# Altium PCB MB1801.PcbDoc (part 2 of 4) (continued)
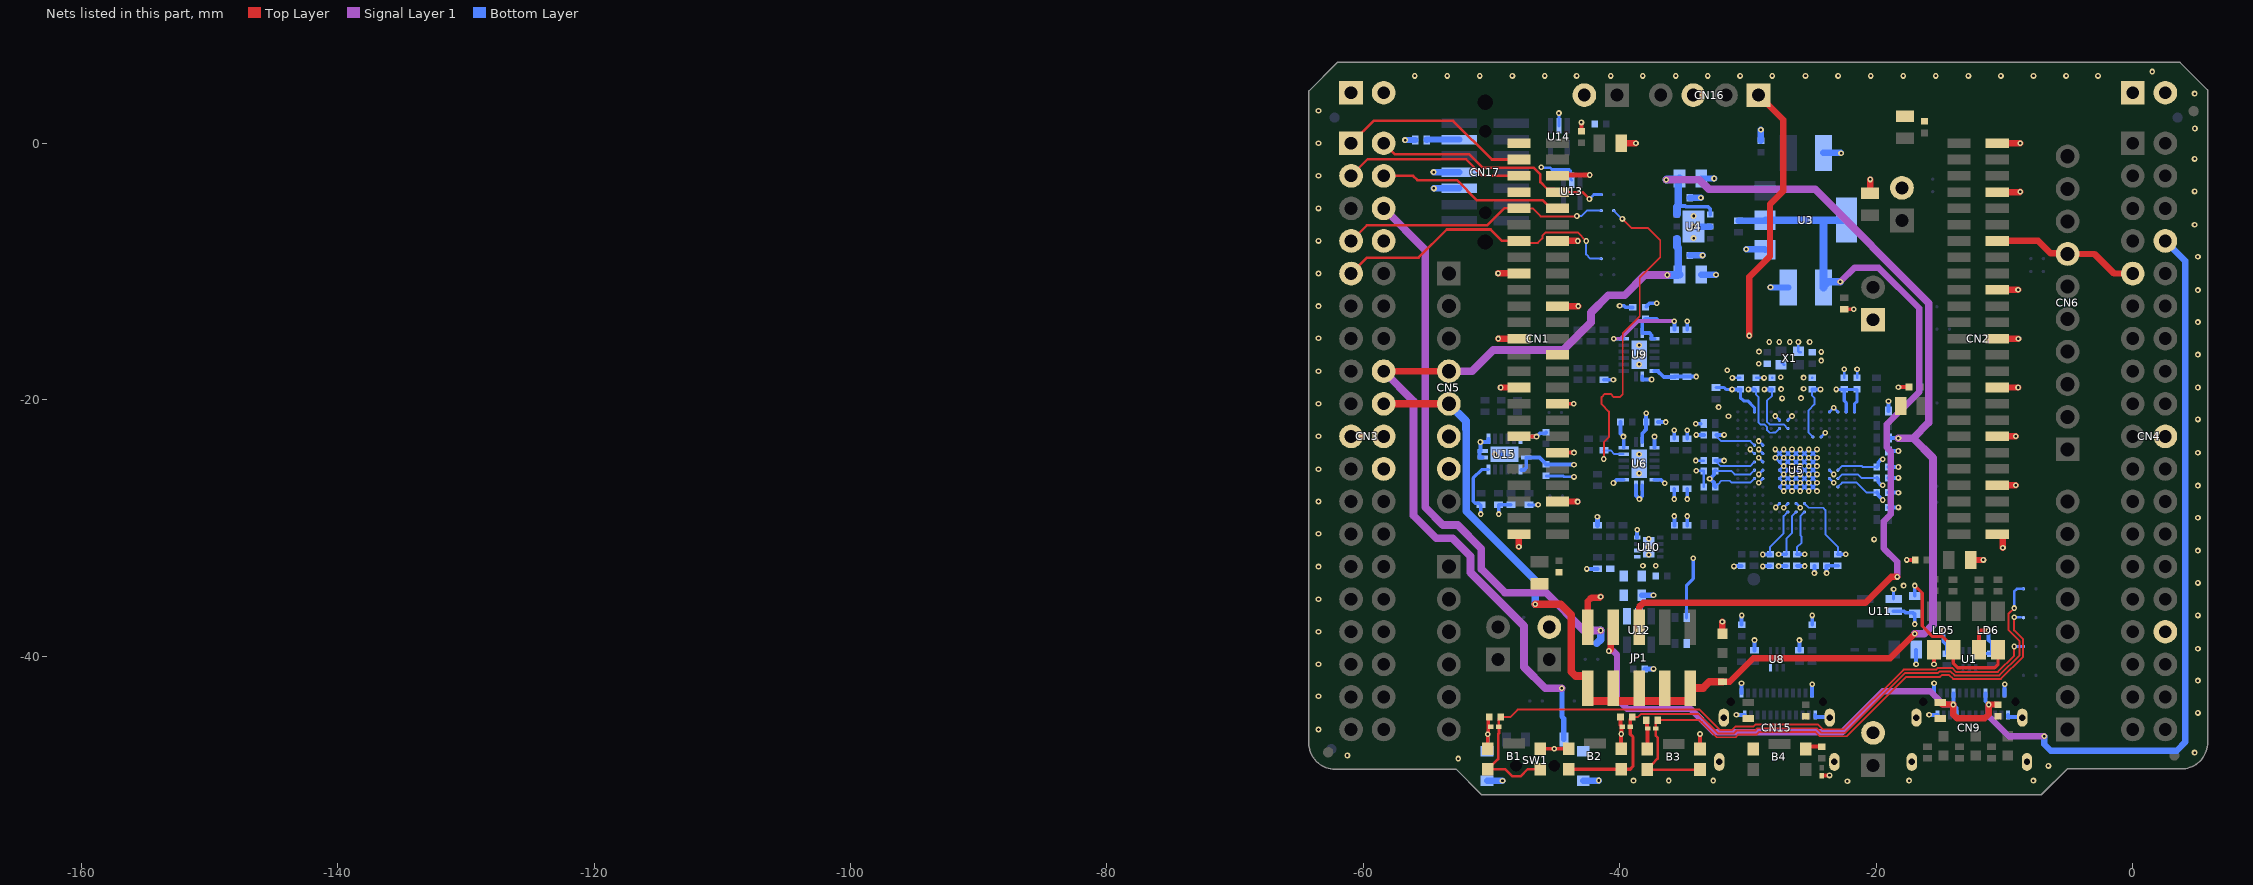
[diagram p4: the nets of this part, all layers, seen from the top]
## Part data (continued)
U6 U9 U15: library part MCD-01945, "4-bit dual supply translating transceiver with configurable voltage translation; 3-state", Alternate_Manufacturer=N/A, Manufacturer=NEXPERIA, Manufacturer_Part_Number=74AVC4TD245BQ,115, Package=DHVQFN16, ComponentLink1URL="http://tunmcdsvn.tun.st.com/Component_Datasheet_Library/Trunk/IC/NEXPERIA_dual supply transceiver_74AVC4TD245", Internal_Part_Number=MCD-01945, Order_Code_Digikey=1727-6899-1-ND, Order_Code_Farnell=N/A, Order_Code_RS=N/A, Part_Preference=Recommended, Part_Type=IC, Status=Released
U7: library part MCD-01207, "High power Transient voltage suppressor:25V/35A EOS and ESD transients protection.", Manufacturer=STMICROELECTRONICS, Manufacturer_Part_Number=ESDA25P35-1U1M, Package=QFN1610, BMS_Part_Number=9179045, ComponentLink1Description=Datasheet, ComponentLink1URL=http://tunmcdsvn.tun.st.com/Component_Datasheet_Library/Trunk/Diodes/STM_ESD_ESDA25P35-1U1M, ECCN_EU=NEC, ECCN_US=EAR99, Internal_Part_Number=MCD-01207, Part_Type=Diode, Provided_By="SUBCO with ST control", Status=Checked
U10: library part MCD-02532, "IC, 2V7 to 18V, 4A, 34mR, eFuse with fast overvoltage protection", Manufacturer="TEXAS INSTRUMENTS", Package=WSON-8, Component_Country_Of_Origin=Thailand, ComponentLink1URL=http://tunmcdsvn.tun.st.com/Component_Documentation_Library/Trunk/IC/TEXAS_INSTRUMENTS_TPS259535DSG, ID=4638, Internal_Part_Number=MCD-02532, Manufacturer_Part_Number=TPS259535DSG, Order_Code_Digikey=N/A, Order_Code_Farnell=N/A, Order_Code_RS=N/A, Part_Preference=Recommended, Part_Type=IC, ShowFields=YES, Status=Checked
U11: library part MCD-02514, "LDO, 3.3V, 300mA, High input voltage: 2.5V to 28V, SOT23-5L", Alternate_Manufacturer=N/A, Manufacturer=STMICROELECTRONICS, Package=SOT23-5L, Alternate_Manufacturer_Part_Number=N/A, BMS_Part_Number=N/A, ComponentLink1URL=http://tunmcdsvn.tun.st.com/Component_Documentation_Library/Trunk/IC/STMICROELECTRONICS_ST730M33R, Internal_Part_Number=MCD-02514, Manufacturer_Part_Number=ST730M33R, Order_Code_Digikey=N/A, Order_Code_Farnell=N/A, Order_Code_RS=N/A, Part_Preference=Recommended, Part_Type=IC, Status=New
U12: library part MCD-00159, "500mA, Enhanced single channel power switches with active high enable pin", Manufacturer=STMICROELECTRONICS, Manufacturer_HQ_COO=EU, BMS_Part_Number=9159009, Component_Country_Of_Origin=Malaysia, ComponentLink1URL=http://tunmcdsvn.tun.st.com/Component_Datasheet_Library/Trunk/IC/STM_PWR-Switch_STMPS2151STR, ID=2708, Internal_Part_Number=MCD-00159, Manufacturer_Part_Number=STMPS2151STR, Part_Preference=Recommended, Part_Type=IC, ShowFields=YES, Status=Released
U13 U14: library part MCD-00136, "Dual Transil array for ESD protection", Manufacturer=STMICROELECTRONICS, Manufacturer_HQ_COO=EU, BMS_Part_Number=9151112, Component_Country_Of_Origin=China, ComponentLink1URL=http://tunmcdsvn.tun.st.com/Component_Datasheet_Library/Trunk/Diodes/STM_ESD_ESDALC6V1W5, Internal_Part_Number=MCD-00136, Manufacturer_Part_Number=ESDALC6V1W5, Part_Preference=Recommended, Part_Type=Diode, Status=Released
U16 U17 U18 U19: library part MCD-00170, "ESD protection 6V1", Manufacturer=STMICROELECTRONICS, Manufacturer_HQ_COO=EU, Manufacturer_Part_Number=ESDALC6V1-1U2, BMS_Part_Number=9151132, Component_Country_Of_Origin=China, ComponentLink1URL=http://tunmcdsvn.tun.st.com/Component_Documentation_Library/Trunk/Diode/STMICROELECTRONICS_ESDALC6V1-1U2, ID=2696, Internal_Part_Number=MCD-00170, Order_Code_Digikey=N/A, Order_Code_Farnell=N/A, Order_Code_RS=N/A, Part_Preference=Recommended, Part_Type=Diode, ShowFields=YES, Status=Released
X1: library part MCD-01036, "Crystal, 24MHz, 6pF, +/-20ppm, 80R, 2x1.6mm", Manufacturer=NDK, Manufacturer_Part_Number=NX2016SA-24MHZ-EXS00A-CS10820, Package=2x1.6mm, BMS_Part_Number=9157045, Component_Country_Of_Origin=Unknown, ComponentLink1URL=http://tunmcdsvn.tun.st.com/Component_Documentation_Library/Trunk/Crytal_Oscillator/NDK_NX2016SA_Series, Internal_Part_Number=MCD-01036, Order_Code_Digikey=644-1365, Order_Code_Farnell=N/A, Order_Code_RS=N/A, Part_Preference=Recommended, Part_Type=Crystal_Osc, Status=Released

## Via types
v1: diameter 0.45, hole 0.2, Top Layer to Bottom Layer, tented both sides, 473 vias

## Nets (pads, with @x,y where several pads share a name; then routed paths per layer and width w, separated by ;. In a path a pad name is that pad's centre, name@x,y a point inside that pad or via, vN(x,y) a via of type N, cw(c..) or ccw(c..) an arc to the next point about the centre after c; other vN are vias at no path point)
3V3: C21.2 C22.2 CN3.16 CN5.4 SB19.2 SW1.1 U4.4 | length 65.4
  Top Layer w0.5: CN3.16@-58.42,-17.78 CN5.4@-53.34,-17.78
  Signal Layer 1 w0.6: CN3.16@-58.42,-17.78 -56.1,-20.1 -56.1,-29.025 -54.325,-30.8 -53.05,-30.8 -51.65,-32.2 -51.65,-33.475 -47.475,-37.65 -47.475,-40.85 -45.825,-42.5 v1(-44.525,-42.5) ; CN5.4@-53.34,-17.78 -51.53,-17.78 -49.875,-16.125 -44.4,-16.125 -42.25,-13.975 -42.25,-13.2 -40.9,-11.85 -39.625,-11.85 -38.05,-10.275 v1(-36.3,-10.275)
  Bottom Layer w0.4: v1(-44.525,-42.5) SB19.2@-44.525,-43.5 -44.525,-44.7 -44.375,-44.85 -44.375,-46.483 SW1.1@-44.35,-46.509
  Bottom Layer w0.6: v1(-36.3,-10.275) -35.5,-10.275 -35.475,-10.25 C21.2@-35.35,-10.25 ; U4.4@-35.55,-7.45 -35.55,-8.075 -35.45,-8.175 C22.2@-35.45,-8.75 C21.2@-35.45,-10.15
3V3_STLK: C24.2 C30.2 C37.1 C38.1 C39.1 C40.1 C41.1 C42.1 C43.1 C44.1 C45.1 C46.1 C47.1 C48.1 C49.1 C50.1 C51.1 C52.1 C53.1 C55.2 C60.2 CN16.1 JP4.1 LD5.4 LD6.4 R2.1 R15.2 R16.2 R17.2 R24.1 R25.2 R26.2 R27.2 R39.2 R52.1 R61.2 R62.2 R63.2 R64.2 U5.C1 U5.C5 U5.C6 U5.C7 U5.C8 U5.C9 U5.F3 U5.G3 U5.G13 U5.H13 U5.J12 U5.J13 U5.K4 U5.N8 U5.N9 U5.N10 U5.P1 U5.R1 U6.1 U6.2 U9.1 U9.2 U9.7 U9.15 U11.1 U15.1 U15.2 U15.7 | length 146.3
  Top Layer w0.254: v1(-17,-34.5) -16.425,-35.075 -16.425,-37.65 -15.6,-38.475 -14.825,-38.475 -14.423,-38.877 -14,-39.3 LD5.4@-14,-39.5 -14,-40.549 -13.651,-40.898 -10.773,-40.898 -10.5,-40.625 LD6.4@-10.5,-39.5
  Top Layer w0.5: v1(-29.9,-15) -29.9,-10.425 -28.288,-8.813 -28.288,-4.763 -27.25,-3.725 -27.25,1.825 CN16.1@-29.2,3.775
  Signal Layer 1 w0.3: v1(-40.475,-15.25) -39.95,-15.25 -38.575,-13.875 v1(-35.75,-13.875)
  Bottom Layer w0.15: C52.1@-32.55,-25.55 -31.325,-25.55 -31.05,-25.825 -29.825,-25.825 U5.C8@-29.5,-25.5 ; C51.1@-32.5,-24.825 -32.15,-25.175 -29.825,-25.175 U5.C7@-29.5,-24.85 ; C53.1@-32.45,-26.675 -32.37,-26.595 -32.345,-26.595 -32.075,-26.325 -31.425,-26.325 -31.325,-26.425 -31.28,-26.47 -30.73,-26.47 -30.725,-26.475 -29.825,-26.475 U5.C9@-29.5,-26.15 ; C50.1@-32.45,-22.875 -32.37,-22.955 -32.1,-23.225 -29.825,-23.225 U5.C5@-29.5,-23.55 ; v1(-29.825,-23.875) U5.C6@-29.5,-24.2 ; C48.1@-29.375,-19.2 -29.375,-19.6 -29.175,-19.8 -29.175,-21.8 -29.05,-21.925 -28.722,-21.925 -28.525,-22.122 -28.525,-22.375 -28.52,-22.38 -28.52,-22.383 -28.323,-22.58 -28.075,-22.58 ; C40.1@-28.275,-32.025 -28.275,-31.475 -27.225,-30.425 -27.225,-29.075 U5.G13@-26.9,-28.75 ; C47.1@-28.125,-19.2 -28.125,-19.675 -28.525,-20.075 -28.525,-21.4 -28.53,-21.405 -28.53,-21.723 -28.328,-21.925 -27.225,-21.925 U5.G3@-26.9,-22.25 ; -28.075,-22.575 -27.875,-22.575 U5.F3@-27.55,-22.25 ; C39.1@-27,-32.025 -27,-30.825 -26.58,-30.405 -26.58,-29.08 U5.H13@-26.25,-28.75 ; C37.1@-26.2,-32.025 -26.2,-31.525 -25.825,-31.15 -25.825,-30.675 -25.925,-30.575 -25.925,-29.075 U5.J13@-25.6,-28.75 ; U5.J12@-25.6,-28.1 -25.275,-28.425 -24.15,-28.425 -23.97,-28.605 -23.97,-30.505 -23,-31.475 C38.1@-23,-32 ; C46.1@-25,-19.2 -25,-19.675 -24.825,-19.85 -24.825,-20.372 -25.28,-20.827 -25.28,-22.57 U5.K4@-24.95,-22.9 ; U5.N10@-23,-26.8 -22.675,-26.475 -21.525,-26.475 -20.75,-27.25 C41.1@-20,-27.25 ; U5.N9@-23,-26.15 -22.67,-25.82 -21.625,-25.82 -21.615,-25.83 -21.445,-25.83 -21.325,-25.95 -21.175,-26.1 C42.1@-19.95,-26.1 ; U5.N8@-23,-25.5 -22.68,-25.18 -22.31,-25.18 -22.3,-25.17 -21.13,-25.17 -21.05,-25.25 C43.1@-19.95,-25.25
  Bottom Layer w0.254: v1(-50.85,-28.921) -50.85,-28.225 -51.003,-28.072 -51.276,-28.072 -51.427,-27.921 -51.427,-26.102 -50.775,-25.45 U15.7@-50.25,-25.45 ; v1(-49.45,-28.925) R63.2@-49.45,-28.2 ; R63.2@-49.4,-28.2 R62.2@-48.5,-28.2 ; R61.2@-47.1,-28.2 -47.096,-28.204 -46.379,-28.204 v1(-46.375,-28.2) ; v1(-35.75,-27.75) R17.2@-35.75,-26.95 ; R52.1@-34.8,-37 -34.8,-34.475 -34.275,-33.95 v1(-34.275,-32.375) ; v1(-34.75,-27.75) R16.2@-34.75,-26.95 ; R15.2@-34.75,-23.05 v1(-34.75,-22.375) ; R2.1@-32.5,-19.05 -31.875,-19.05 -31.725,-19.2 v1(-31.25,-19.2) ; C49.1@-30.6,-19.2 -30.6,-19.85 -30.35,-20.1 -30.025,-20.1 -29.5,-20.625 U5.C1@-29.5,-20.95 ; v1@-27.6,-32.05 C39.1@-27,-32.05 ; v1(-23.125,-19.2) C45.1@-22.5,-19.2 ; U5.P1@-22.35,-20.95 -22.35,-20.25 -22.5,-20.1 C45.1@-22.5,-19.2 ; U5.R1@-21.7,-20.95 -21.7,-20.325 -21.5,-20.125 C44.1@-21.5,-19.2 C45.1@-22.5,-19.2 ; U11.1@-18.65,-35.55 v1(-18.65,-34.775) ; C55.2@-17,-35.3 v1(-17,-34.5)
  Bottom Layer w0.3: U15.2@-47.675,-25.475 -47.476,-25.475 -47.3,-25.299 U15.1@-47.3,-24.5 -46.275,-24.5 C60.2@-45.88,-24.895 ; C60.2@-45.75,-25.05 -43.6,-25.05 v1(-43.575,-25.075) ; v1(-40.475,-15.25) U9.15@-39.7,-15.25 ; U6.1@-38.25,-23.3 -38.25,-22.625 -37.95,-22.325 C24.2@-37.95,-21.75 v1(-37.95,-21.05) ; U6.2@-37.3,-23.75 v1(-37.3,-22.875) ; U9.7@-37.3,-17.75 -37.05,-17.75 -36.575,-18.225 R27.2@-35.7,-18.225 ; U9.2@-37.3,-15.25 -37.524,-15.25 -37.524,-14.976 -37.7,-14.8 U9.1@-38.25,-14.8 -38.25,-13.95 -38.13,-13.83 -38.13,-13.805 -38.025,-13.7 -37.125,-13.7 -36.95,-13.875 v1(-35.75,-13.875) R24.1@-35.75,-14.55 ; R27.2@-35.75,-18.2 v1@-34.063,-18.2 ; R25.2@-34.75,-14.55 v1(-34.75,-13.875) ; v1(-34.075,-21.875) R39.2@-33.7,-21.875 ; v1(-33,-26.175) v1@-32.975,-26.175 ; C53.1@-32.55,-26.8 -32.655,-26.695 -32.655,-26.47 -32.88,-26.245 -32.889,-26.245 -32.959,-26.175 v1@-32.975,-26.175 ; C52.1@-32.55,-25.5 -32.655,-25.605 -32.655,-25.855 v1@-32.975,-26.175 ; C51.1@-32.55,-24.75 v1(-31.875,-24.75) ; C50.1@-32.45,-22.75 v1(-31.875,-22.75) ; v1(-31.25,-19.2) C49.1@-30.6,-19.2 ; v1(-29.975,-19.2) C48.1@-29.5,-19.2 ; v1(-28.85,-32.075) -28.838,-32.063 -28.263,-32.063 C40.1@-28.25,-32.05 ; v1(-28.725,-19.2) C47.1@-28.125,-19.2 ; C37.1@-26.2,-32.05 v1(-25.575,-32.05) ; C46.1@-25,-19.2 v1(-24.35,-19.2) ; C38.1@-23,-32.05 v1(-22.375,-32.05) ; C41.1@-19.95,-27.25 -19.845,-27.355 -19.845,-27.48 v1(-19.5,-27.825) ; C42.1@-19.95,-26.1 -19.845,-26.205 -19.845,-26.424 -19.623,-26.646 -19.529,-26.646 v1(-19.5,-26.675) ; C43.1@-19.95,-25.25 -19.845,-25.145 -19.845,-24.901 -19.623,-24.679 -19.529,-24.679 v1(-19.5,-24.65)
  other v1: -17.875,-34.5 -27.625,-32.05 -34.05,-18.2
5V: C19.2 C20.2 CN3.18 CN5.5 JP1.1 JP1.3 JP1.5 JP1.7 JP1.9 R13.2 R36.2 U4.1 U4.6 | length 127.2
  Top Layer w0.5: R13.2@-32,-42 -31.995,-41.995 -31.42,-41.995 -29.6,-40.175 -18.925,-40.175 v1(-17,-38.25)
  Top Layer w0.6: CN3.18@-58.42,-20.32 CN5.5@-53.34,-20.32 ; v1(-46.6,-35.95) -44.625,-35.95 -43.8,-36.775 -43.8,-41.204 -43.449,-41.556 -42.645,-41.556 -42.5,-41.701 -42.5,-43.361 -42.355,-43.506 -40.5,-43.506 -38.645,-43.506 JP1.5@-38.5,-43.361 ; JP1.1@-42.5,-43.301 JP1.1@-42.5,-42.5 ; JP1.3@-40.5,-43.43 JP1.3@-40.5,-42.5 ; JP1.5@-38.5,-43.301 JP1.5@-38.5,-43.361 ; JP1.5@-38.5,-43.106 JP1.5@-38.5,-42.5 ; JP1.7@-36.5,-42.5 JP1.7@-36.5,-43.361 ; R13.2@-32,-42 -33.025,-42 -33.506,-42.481 -34.481,-42.481 JP1.9@-34.5,-42.5 -34.5,-43.361 -34.645,-43.506 -36.355,-43.506 JP1.7@-36.5,-43.361 ; JP1.5@-38.5,-43.361 -38.355,-43.506 -36.645,-43.506 JP1.7@-36.5,-43.361
  Signal Layer 1 w0.6: v1(-36.375,-2.85) -33.8,-2.85 -33.05,-3.6 -24.775,-3.6 -15.9,-12.475 -15.9,-21.775 -17.125,-23 ; v1(-18.275,-23) -17.125,-23 ; v1(-17,-38.25) -16.275,-38.25 -15.575,-37.55 -15.575,-24.55 -17.125,-23
  Bottom Layer w0.3: -35.55,-4.975 -35.475,-4.9 -34.9,-4.9 -34.85,-4.95 -33.126,-4.95 -32.95,-5.126 U4.1@-32.95,-5.55 ; R36.2@-19.05,-23 v1(-18.275,-23)
  Bottom Layer w0.6: CN5.5@-53.34,-20.32 -52,-21.66 -52,-22.291 -51.99,-22.301 -51.99,-28.701 -46.6,-34.091 v1(-46.6,-35.95) ; v1(-36.375,-2.85) -36.337,-2.812 C19.2@-35.412,-2.812 ; U4.6@-35.55,-5.55 -35.55,-4.975 ; -35.475,-4.9 -35.45,-4.875 C20.2@-35.45,-4.25 -35.45,-2.85 C19.2@-35.412,-2.812 ; C19.2@-35.35,-2.75 C19.2@-35.412,-2.812
5V_EXT: CN3.6 SB33.1 | length 44.4
  Signal Layer 1 w0.6: CN3.6@-58.42,-5.08 -55.175,-8.325 -55.175,-28.4 -53.8,-29.775 -52.65,-29.775 -50.8,-31.625 -50.8,-33.2 -48.95,-35.05 -45.75,-35.05 -42.8,-38 v1(-41.5,-38)
  Bottom Layer w0.6: SB33.1@-41.8,-39 -41.5,-38.7 v1(-41.5,-38)
5V_INT: C17.1 JP1.6 R1.2 U3.2 U3.4 | length 68.5
  Top Layer w0.5: JP1.6@-38.5,-37.75 -38.5,-36.175 -38.175,-35.85 -20.85,-35.85 -18.825,-33.825 v1(-18.375,-33.825)
  Signal Layer 1 w0.5: v1(-22.8,-10.8) -21.7,-9.7 -19.825,-9.7 -16.65,-12.875 -16.65,-19.4 -19.175,-21.925 -19.175,-23.725 -18.875,-24.025 -18.875,-28.925 -19.425,-29.475 -19.425,-31.6 -18.375,-32.65 v1@-18.375,-33.8
  Bottom Layer w0.5: R1.2@-30.75,-6.05 U3.2@-28.7,-6.05 ; U3.2@-28.65,-6.05 U3.2@-28.6,-6
  Bottom Layer w0.6: U3.2@-28.6,-6 -24.125,-6 ; C17.1@-24.125,-11.25 C17.1@-24.125,-11.176 ; v1(-22.8,-10.8) -23.75,-10.8 -24.125,-11.175 C17.1@-24.125,-11.176 ; U3.4@-22.325,-6 -24.125,-6 ; C17.1@-24.125,-11.176 -24.125,-6
5V_STLK: C34.2 C59.2 JP1.2 R40.1 U10.5 U10.6 U12.1 | length 3.2
  Top Layer w0.5: JP1.2@-42.5,-37.75 -42.5,-35.725 -42.207,-35.432 -41.557,-35.432 v1(-41.5,-35.375)
5V_USB_MCU: C15.2 CN4.8 CN9.A4 CN9.A9 CN9.B4 CN9.B9 JP1.4 U2.1 | length 102.9
  Top Layer w0.5: v1(-40.85,-39.6) -40.695,-39.445 -40.695,-37.945 JP1.4@-40.5,-37.75 ; U2.1@-15,-43.625 -14.875,-43.75 -14.54,-43.75 -14.515,-43.775 v1(-14,-43.775) -14,-44.557 -13.707,-44.85 -11.55,-44.85 -11.225,-44.525 v1@-11.225,-43.8 ; v1(-11.225,-43.775) C15.2@-10.534,-43.775
  Signal Layer 1 w0.5: v1(-40.85,-39.6) -40.518,-39.6 -40.225,-39.893 -40.225,-43.325 -39.425,-44.125 -34.475,-44.125 -32.675,-45.925 -22.675,-45.925 -19.5,-42.75 -15.8,-42.75 -14.775,-43.775 v1(-14,-43.775) ; v1(-11.225,-43.775) -11.225,-44.7 -9.675,-46.25 v1(-6.9,-46.25)
  Bottom Layer w0.3: CN9.A9@-13.99,-42.89 -13.99,-43.765 v1(-14,-43.775) -13.991,-43.775 -13.74,-44.026 CN9.B4@-13.74,-44.59 ; CN9.A4@-11.49,-42.89 -11.49,-43.522 -11.237,-43.775 v1(-11.225,-43.775) -11.24,-43.79 CN9.B9@-11.24,-44.59
  Bottom Layer w0.5: v1@-6.899,-46.251 -6.899,-46.876 -6.4,-47.375 3.425,-47.375 4.1,-46.7 4.1,-9.18 CN4.8@2.54,-7.62
B1: B1.2 B1.4 C12.2 SB2.2 U16.1 | length 54.4
  Top Layer w0.15: C12.2@-49.3,-44.75 -48.55,-44.75 -47.975,-44.175 -33.775,-44.175 -32.175,-45.775 -31.273,-45.775 -30.998,-45.5 -29.582,-45.5 -29.407,-45.325 -24.55,-45.325 -24.175,-45.7 -22.528,-45.7 -17.878,-41.05 -15.324,-41.05 -15.199,-40.925 -14.086,-40.925 -13.786,-41.225 -10.514,-41.225 -9.25,-39.961 v1(-9.25,-39.25)
  Top Layer w0.2: C12.2@-49.3,-44.75 -49.438,-44.887 U16.1@-49.438,-45.5 -49.425,-45.513 -49.425,-46 -49.5,-46.075 -49.5,-48.022 -49.9,-48.422 -49.95,-48.422 -50.3,-48.772 B1.4@-50.3,-48.822 -50.297,-48.825 -48.925,-48.825 -48.375,-49.375 -47.75,-49.375 -47.197,-48.822 B1.2@-46.2,-48.822
  Bottom Layer w0.2: v1(-9.25,-39.25) SB2.2@-8.525,-39.25
B2: B2.2 B2.4 C13.2 SB4.2 U17.1 | length 49.4
  Top Layer w0.15: C13.2@-39.05,-44.75 -38.6,-44.75 -38.35,-44.5 -33.874,-44.5 -33.499,-44.875 -33.496,-44.875 -32.775,-45.596 -32.321,-46.05 -31.124,-46.05 -30.874,-45.8 -29.458,-45.8 -29.283,-45.625 -24.639,-45.625 -24.289,-45.975 -22.414,-45.975 -17.764,-41.325 -15.21,-41.325 -15.085,-41.2 -14.2,-41.2 -13.9,-41.5 -10.4,-41.5 -8.825,-39.925 -8.825,-38.825 -9.675,-37.975 -9.675,-36.675 v1(-9.25,-36.25)
  Top Layer w0.254: B2.4@-44,-48.822 -39.928,-48.822 B2.2@-39.925,-48.825 ; B2.2@-39.9,-48.822 -39.197,-48.822 -38.975,-48.6 -38.975,-46.3 -39.188,-46.087 U17.1@-39.188,-45.5 -39.188,-44.912 -39.05,-44.775 C13.2@-39.05,-44.75
  Bottom Layer w0.2: v1(-9.25,-36.25) -9.25,-34.975 -9.025,-34.75 SB4.2@-8.525,-34.75
B3: B3.2 B3.4 C14.2 SB6.2 U18.1 | length 44.5
  Top Layer w0.15: C14.2@-37.05,-45 -37.025,-44.975 -33.824,-44.975 -33.649,-45.15 -33.61,-45.15 -33.05,-45.71 -32.435,-46.325 -30.974,-46.325 -30.749,-46.1 -29.333,-46.1 -29.158,-45.925 -24.728,-45.925 -24.403,-46.25 -22.3,-46.25 -17.675,-41.625 -15.047,-41.625 -14.897,-41.475 -14.314,-41.475 -14.014,-41.775 -10.286,-41.775 -8.55,-40.039 -8.55,-38.7 -9.25,-38 v1(-9.25,-36.975)
  Top Layer w0.2: C14.2@-37.05,-45 -37.188,-45.137 U18.1@-37.188,-45.65 -37.2,-45.662 -37.2,-46.2 -37.05,-46.35 -37.05,-48 -37.5,-48.45 -37.85,-48.8 B3.4@-37.85,-48.85 B3.2@-33.75,-48.85
  Bottom Layer w0.2: v1(-9.25,-36.975) -8.725,-36.975
DBG_BOOTLOADER: R60.1 SB28.2 U6.14 | length 27.4
  Top Layer w0.15: v1(-41.25,-24.625) -41.25,-23.325 -40.85,-22.925 -40.85,-20.925 -41.425,-20.35 -41.425,-19.8 -41.175,-19.55 -40.725,-19.55 -40.475,-19.8 -40,-19.8 -39.775,-19.575 -39.775,-15.175 -39.775,-14.825 -38.45,-13.5 -38.45,-10.975 -38.45,-10.487 -36.85,-8.887 -36.85,-8.675 -36.85,-7.575 -37.825,-6.6 -39.1,-6.6 v1(-39.8,-5.9)
  Bottom Layer w0.15: R60.1@-41.275,-23.95 -40.725,-23.95 -40.425,-24.25 U6.14@-39.7,-24.25 ; v1(-41.25,-24.625) R60.1@-41.25,-23.95 ; SB28.2@-40.475,-5.25 -40.475,-5.278 -39.853,-5.9 v1(-39.8,-5.9)
GND: B1.1 B1.3 B2.1 B2.3 B3.1 B3.3 B4.1 B4.3 C1.1 C2.1 C3.1 C4.1 C5.1 C6.1 C7.1 C8.1 C9.1 C10.1 C11.1 C12.1 C13.1 C14.1 C15.1 C16.2 C17.2 C18.1 C19.1 C20.1 C21.1 C22.1 C23.2 C24.1 C25.2 C26.2 C27.2 C28.1 C29.2 C30.1 C31.2 C32.1 C33.1 C34.1 C35.1 C36.1 C37.2 C38.2 C39.2 C40.2 C41.2 C42.2 C43.2 C44.2 C45.2 C46.2 C47.2 C48.2 C49.2 C50.2 C51.2 C52.2 C53.2 C54.1 C55.1 C56.1 C57.1 C58.1 C59.1 C60.1 C61.2 C62.2 CN1.1 CN1.6 CN1.7 CN1.14 CN1.17 CN1.22 CN1.25 CN1.28 CN1.31 CN1.34 CN1.37 CN1.40 CN1.46 CN1.49 CN2.2 CN2.8 CN2.14 CN2.20 CN2.26 CN2.32 CN2.38 CN2.44 CN2.50 CN3.8 CN3.19 CN3.20 CN3.22 CN4.9 CN4.20 CN4.32 CN5.6 CN5.7 CN6.7 CN9.A1 CN9.A12 CN9.B1 CN9.B12 CN9.SH1 CN9.SH2 CN9.SH3 CN9.SH4 CN10.2 CN11.2 CN12.1 CN12.2 CN13.1 CN13.2 CN14.2 CN15.A1 CN15.A12 CN15.B1 CN15.B12 CN15.SH1 CN15.SH2 CN15.SH3 CN15.SH4 CN16.3 CN17.5 CN17.7 JP3.2 LD4.2 LD5.3 LD6.3 R11.1 R12.1 R14.2 R23.2 R30.2 R31.2 R38.2 R41.1 R42.1 R45.2 R46.1 R47.1 R53.1 R54.1 R59.1 SW1.0 U1.3 U2.2 U3.1 U4.2 U4.EP U5.D5 U5.D6 U5.D7 U5.D8 U5.D9 U5.F2 U5.F6 U5.F7 U5.F8 U5.F9 U5.F10 U5.F12 U5.G2 U5.G6 U5.G7 U5.G8 U5.G9 U5.G10 U5.G12 U5.H6 U5.H7 U5.H8 U5.H9 U5.H10 U5.H12 U5.J6 U5.J7 U5.J8 U5.J9 U5.J10 U5.K6 U5.K7 U5.K8 U5.K9 U5.K10 U5.L4 U5.M1 U5.M8 U5.M9 U5.N1 U6.7 U6.8 U6.9 U6.10 U6.15 U6.17 U7.2 U8.3 U9.8 U9.17 U10.8 U10.9 U11.2 U12.2 U13.2 U14.2 U15.8 U15.9 U15.10 U15.15 U15.17 U16.2 U17.2 U18.2 U19.2 X1.2 X1.4 | length 194.9
  Top Layer w0.3: B1.3@-50.3,-47.222 v1(-50.3,-46.1) -50.3,-46.059 -50.269,-46.028 U16.2@-50.269,-45.424 ; U16.2@-50.207,-45.485 U16.2@-50.269,-45.424 ; C12.1@-50.2,-44.75 -50.269,-44.819 U16.2@-50.269,-45.424 ; v1@-49.75,-24.275 v1(-49.75,-24.25) ; CN1.37@-47.855,-22.86 -46.54,-22.86 v1@-46.525,-22.875 ; B1.1@-46.2,-47.222 -45.128,-47.222 v1(-45.125,-47.225) -45.122,-47.222 B2.3@-44,-47.222 ; CN1.40@-44.855,-24.13 -44.852,-24.127 -43.577,-24.127 v1(-43.575,-24.125) ; CN1.34@-44.855,-20.32 -44.852,-20.323 -43.603,-20.323 v1(-43.6,-20.325) ; C7.1@-43,0.95 v1(-43,1.625) ; C13.1@-39.95,-44.75 -39.95,-45.363 -39.875,-45.437 -39.875,-45.485 U17.2@-39.86,-45.5 ; B2.1@-39.9,-47.222 v1(-39.9,-46.075) ; v1@-39.9,-46.1 -39.871,-46.071 -39.871,-45.511 U17.2@-39.86,-45.5 ; U17.2@-39.812,-45.5 U17.2@-39.86,-45.5 ; C14.1@-37.95,-45 -37.875,-45.075 -37.875,-45.635 -37.86,-45.65 U18.2@-37.812,-45.65 ; B3.3@-37.85,-47.25 -37.85,-46.25 -37.85,-45.665 U18.2@-37.835,-45.65 ; B3.1@-33.75,-47.25 v1(-33.75,-46.075) ; B4.3@-29.725,-47.375 B4.3@-29.6,-47.25 ; B4.1@-25.625,-47.375 B4.1@-25.5,-47.25 -25.3,-47.05 C62.2@-24.25,-47.05 ; U19.2@-24.25,-49.312 -23.663,-49.312 v1(-23.65,-49.3) ; R47.1@-22.5,-12.95 v1(-21.75,-12.95) ; v1(-18.275,-19.025) -18.263,-19.012 -17.462,-19.012 C10.1@-17.45,-19 ; v1(-17.625,-32.5) C11.1@-16.95,-32.5 ; v1(-15.5,-40.625) LD5.3@-15.5,-39.5 ; LD6.3@-12,-39.5 -12,-38.176 -11.824,-38 v1(-11.25,-38)
  Top Layer w0.4: CN1.6@-44.855,-2.54 -44.79,-2.475 v1(-42.35,-2.475)
  Top Layer w0.5: v1(-49.5,-10.15) -49.495,-10.155 -47.86,-10.155 CN1.17@-47.855,-10.16 ; v1(-49.476,-15.235) -49.471,-15.24 CN1.25@-47.855,-15.24 -47.836,-15.24 CN1.25@-47.831,-15.245 ; v1(-49.3,-19.05) CN1.31@-47.855,-19.05 ; v1(-47.875,-31.475) -47.875,-30.519 CN1.49@-47.836,-30.48 ; CN1.22@-44.879,-12.7 CN1.22@-44.855,-12.7 v1(-43.25,-12.7) ; CN1.14@-44.855,-7.62 -43.28,-7.62 v1(-43.275,-7.625) ; CN1.46@-44.845,-27.93 -44.833,-27.942 -43.308,-27.942 v1(-43.3,-27.95) ; C2.1@-39.9,0 v1(-38.75,0) ; LD4.2@-32,-38.25 v1(-32,-37.325) ; C1.1@-20.5,-3.9 -20.488,-3.888 -20.488,-2.838 v1(-20.475,-2.825) ; C6.1@-12.65,-32.5 v1(-11.644,-32.5) ; CN2.44@-10.565,-26.67 -10.562,-26.672 -9.128,-26.672 v1(-9.125,-26.675) ; CN2.38@-10.565,-22.86 -10.56,-22.855 -9.13,-22.855 v1(-9.125,-22.85) ; CN2.20@-10.565,-11.43 v1(-8.939,-11.43) ; CN2.26@-10.541,-15.24 v1(-8.92,-15.24) ; CN2.50@-10.195,-30.48 -10.151,-30.524 -10.151,-31.524 v1(-10.125,-31.55) ; CN2.32@-10.195,-19.05 v1(-8.944,-19.05) ; CN2.14@-10.195,-7.62 -7.38,-7.62 -6.406,-8.594 -5.122,-8.594 CN6.7@-5.08,-8.636 -2.989,-8.636 -1.465,-10.16 CN4.9@0,-10.16 ; CN2.8@-10.195,-3.81 -8.81,-3.81 v1(-8.775,-3.775) ; CN2.2@-10.195,0 v1(-8.775,0)
  Bottom Layer w0.15: v1(-27.85,-28.402) v1@-27.85,-28.4
  Bottom Layer w0.2: v1(-46.125,-1.875) -46.1,-1.9 -45.452,-1.9 -45.302,-2.05 -43.959,-2.05 -43.841,-2.167 -43.841,-2.809 U13.2@-43.75,-2.9 ; C60.1@-45.75,-25.95 -44.425,-25.95 -44.35,-26.025 v1(-43.575,-26.025) ; v1(-34.074,-24.751) C51.2@-33.45,-24.75 ; v1(-34.05,-25.55) C52.2@-33.45,-25.55 C53.2@-33.45,-26.8 ; v1(-31.225,-18.3) C49.2@-30.6,-18.3 ; C48.2@-29.375,-18.3 v1(-28.75,-18.3) ; v1(-29.175,-26.475) U5.D9@-28.85,-26.15 ; v1(-29.175,-25.825) U5.D8@-28.85,-25.5 ; v1(-29.175,-24.525) U5.D7@-28.85,-24.85 ; v1(-29.175,-23.875) U5.D6@-28.85,-24.2 ; v1(-29.175,-23.225) U5.D5@-28.85,-23.55 ; C47.2@-28.125,-18.3 C47.2@-28.1,-18.275 ; v1(-27.875,-23.875) U5.F6@-27.55,-24.2 ; v1(-27.875,-21.275) U5.F2@-27.55,-21.6 ; v1@-27.85,-28.4 U5.F12@-27.55,-28.1 ; v1@-27.475,-18.275 v1(-27.45,-18.25) v1@-27.425,-18.225 ; X1.4@-27.425,-17.05 X1.4@-27.2,-17.275 ; v1(-27.225,-28.425) U5.G12@-26.9,-28.1 ; U5.G2@-26.9,-21.6 v1(-26.575,-21.275) ; U5.H12@-26.237,-28.113 v1(-25.925,-28.425) ; v1(-26.075,-15.5) X1.2@-26.075,-16.225 -26,-16.3 X1.2@-25.913,-16.3 ; v1(-25.675,-18.275) v1@-25.65,-18.3 ; v1(-24.625,-27.125) U5.K10@-24.95,-26.8 ; v1(-24.625,-23.875) U5.K6@-24.95,-24.2 ; U5.L4@-24.3,-22.9 v1(-23.975,-22.575) ; U5.M9@-23.65,-26.15 v1(-23.325,-26.475) ; U5.M8@-23.65,-25.5 v1(-23.325,-25.825) ; U5.M1@-23.65,-20.95 v1(-23.325,-20.625) U5.N1@-23,-20.95 ; C45.2@-22.5,-18.3 v1(-22.5,-17.625) ; C44.2@-21.5,-18.3 v1(-21.5,-17.625) ; U5.F7@-27.55,-24.85 v1(-27.225,-24.525) ; U5.F7@-27.55,-24.85 v1(-27.225,-25.175) ; U5.F7@-27.55,-24.85 v1(-27.875,-24.525) U5.F6@-27.55,-24.2 ; U5.F6@-27.55,-24.2 v1(-27.225,-23.875) U5.G6@-26.9,-24.2 ; U5.F6@-27.55,-24.2 v1(-27.225,-24.525) ; v1(-27.225,-26.475) v1(-26.575,-25.825) ; v1(-27.225,-26.475) U5.G10@-26.9,-26.8 ; v1(-27.225,-26.475) U5.F10@-27.55,-26.8 v1(-27.225,-27.125) U5.G10@-26.9,-26.8 ; v1(-27.225,-26.475) U5.F9@-27.55,-26.15 v1(-27.225,-25.825) ; v1(-27.225,-25.825) U5.F8@-27.55,-25.5 v1(-27.225,-25.175) ; v1(-27.225,-25.825) U5.G8@-26.9,-25.5 ; v1(-27.225,-25.825) U5.G9@-26.9,-26.15 v1(-26.575,-26.475) ; v1(-27.225,-25.175) v1(-26.575,-24.525) ; v1(-27.225,-25.175) U5.G8@-26.9,-25.5 ; v1(-27.225,-24.525) U5.G6@-26.9,-24.2 ; v1(-27.225,-24.525) U5.G7@-26.9,-24.85 v1(-26.575,-25.175) ; U5.G10@-26.9,-26.8 v1(-26.575,-27.125) U5.H10@-26.25,-26.8 ; U5.G10@-26.9,-26.8 v1(-26.575,-26.475) ; U5.G8@-26.9,-25.5 v1(-26.575,-25.175) ; U5.G8@-26.9,-25.5 v1(-26.575,-25.825) ; U5.G6@-26.9,-24.2 v1(-26.575,-24.525) ; U5.G6@-26.9,-24.2 v1(-26.575,-23.875) U5.H6@-26.25,-24.2 ; v1(-26.575,-26.475) U5.H9@-26.25,-26.15 ; v1(-26.575,-26.475) U5.H10@-26.25,-26.8 ; v1(-26.575,-25.825) U5.H8@-26.25,-25.5 ; v1(-26.575,-25.825) U5.H9@-26.25,-26.15 ; v1(-26.575,-25.175) U5.H7@-26.25,-24.85 ; v1(-26.575,-25.175) U5.H8@-26.25,-25.5 ; v1(-26.575,-24.525) U5.H6@-26.25,-24.2 ; v1(-26.575,-24.525) U5.H7@-26.25,-24.85 ; U5.H10@-26.25,-26.8 v1(-25.925,-26.475) ; U5.H10@-26.25,-26.8 v1(-25.925,-27.125) U5.J10@-25.6,-26.8 ; U5.H9@-26.25,-26.15 v1(-25.925,-25.825) ; U5.H9@-26.25,-26.15 v1(-25.925,-26.475) ; U5.H8@-26.25,-25.5 v1(-25.925,-25.825) ; U5.H8@-26.25,-25.5 v1(-25.925,-25.175) ; U5.H7@-26.25,-24.85 v1(-25.925,-24.525) ; U5.H7@-26.25,-24.85 v1(-25.925,-25.175) ; U5.H6@-26.25,-24.2 v1(-25.925,-23.875) U5.J6@-25.6,-24.2 ; U5.H6@-26.25,-24.2 v1(-25.925,-24.525) ; v1(-25.925,-26.475) v1(-25.275,-25.825) ; v1(-25.925,-26.475) U5.J10@-25.6,-26.8 ; v1(-25.925,-25.825) U5.J9@-25.6,-26.15 v1(-25.275,-26.475) ; v1(-25.925,-25.825) U5.J8@-25.6,-25.5 ; v1(-25.925,-25.175) v1(-25.275,-24.525) ; v1(-25.925,-25.175) U5.J8@-25.6,-25.5 ; v1(-25.925,-24.525) U5.J6@-25.6,-24.2 ; v1(-25.925,-24.525) U5.J7@-25.6,-24.85 v1(-25.275,-25.175) ; U5.J10@-25.6,-26.8 v1(-25.275,-27.125) U5.K10@-24.95,-26.8 ; U5.J10@-25.6,-26.8 v1(-25.275,-26.475) ; U5.J8@-25.6,-25.5 v1(-25.275,-25.825) ; U5.J8@-25.6,-25.5 v1(-25.275,-25.175) ; U5.J6@-25.6,-24.2 v1(-25.275,-24.525) ; U5.J6@-25.6,-24.2 v1(-25.275,-23.875) U5.K6@-24.95,-24.2 ; v1(-25.275,-26.475) U5.K9@-24.95,-26.15 ; v1(-25.275,-26.475) U5.K10@-24.95,-26.8 ; v1(-25.275,-25.825) U5.K8@-24.95,-25.5 ; v1(-25.275,-25.825) U5.K9@-24.95,-26.15 ; v1(-25.275,-25.175) U5.K8@-24.95,-25.5 ; v1(-25.275,-25.175) U5.K7@-24.95,-24.85 ; v1(-25.275,-24.525) U5.K6@-24.95,-24.2 ; v1(-25.275,-24.525) U5.K7@-24.95,-24.85 ; U5.K10@-24.95,-26.8 v1(-24.625,-26.475) U5.K9@-24.95,-26.15 ; U5.K9@-24.95,-26.15 v1(-24.625,-25.825) U5.K8@-24.95,-25.5 ; U5.K8@-24.95,-25.5 v1(-24.625,-25.175) U5.K7@-24.95,-24.85 ; U5.K7@-24.95,-24.85 v1(-24.625,-24.525) U5.K6@-24.95,-24.2
  Bottom Layer w0.25: U14.2@-44.75,1.35 v1(-44.75,2.35) ; U1.3@-12.25,-39.6 -11.775,-39.6 -11.579,-39.796 -11.004,-39.796 R11.1@-11,-39.8
  Bottom Layer w0.254: R59.1@-35.75,-23.05 v1(-35.75,-22.375)
  Bottom Layer w0.3: U15.8@-50.7,-24.5 -50.95,-24.5 -50.95,-24 -50.875,-24 v1(-50.875,-23.3) -50.25,-23.3 U15.10@-50.25,-23.05 ; SW1.0@-50.35,-47.409 -50.3,-47.359 v1(-50.3,-46.1) ; v1(-49.75,-24.25) U15.17@-49,-24.25 ; U15.15@-47.75,-23.05 -47.75,-23.075 -47.225,-23.075 -47.025,-22.875 v1(-46.5,-22.875) -46.248,-22.623 -45.823,-22.623 C61.2@-45.75,-22.55 ; v1(-42.575,-33.2) R42.1@-41.75,-33.2 ; R41.1@-41.25,-18.45 v1(-40.5,-18.45) ; v1@-40.499,-26.5 -40.249,-26.25 U6.10@-39.7,-26.25 ; v1(-40.025,-12.675) -40.024,-12.676 -39.671,-12.676 -39.554,-12.793 -39.13,-12.793 -39.123,-12.8 C31.2@-39,-12.8 ; C25.2@-39.95,-21.75 -39.95,-22.624 -39.725,-22.849 v1(-39.725,-22.875) -39.7,-22.9 U6.15@-39.7,-23.75 ; U6.9@-38.75,-26.7 -38.75,-27.475 v1(-38.475,-27.75) -38.475,-27.73 -38.25,-27.505 U6.8@-38.25,-26.7 ; U10.8@-38.65,-30.75 v1(-38.651,-30.149) ; U9.8@-38.25,-18.2 -38.25,-18.425 v1(-37.525,-18.425) ; C30.1@-37.925,-12.75 -37.87,-12.695 -37.87,-12.651 -37.694,-12.475 v1(-37.125,-12.475) ; U6.7@-37.3,-26.25 -36.775,-26.25 v1(-36.5,-26.525) ; C24.1@-37.05,-21.75 v1(-36.425,-21.75) ; C36.1@-35.75,-29.8 v1(-35.75,-29.075) ; R46.1@-34.75,-29.8 v1(-34.75,-29.075) ; v1(-34.05,-22.75) C50.2@-33.45,-22.75 ; v1(-31.1,-33) -31.075,-32.975 -30.525,-32.975 C57.1@-30.5,-32.95 ; v1(-30.907,-44.563) -30.88,-44.59 CN15.B1@-30.26,-44.59 ; v1(-30.511,-42.119) -30.51,-42.12 CN15.A12@-30.51,-42.89 ; C27.2@-30.5,-37.55 v1(-30.5,-36.825) ; R23.2@-29.5,-39.55 v1(-29.5,-38.75) ; v1(-28.85,-33) -28.825,-32.975 -28.275,-32.975 C40.2@-28.25,-32.95 ; v1(-27.625,-32.975) -27.613,-32.963 -27.012,-32.963 C39.2@-27,-32.95 ; C37.2@-26.175,-32.95 -26.163,-32.962 -25.587,-32.962 v1(-25.575,-32.975) ; R14.2@-26,-39.55 v1(-26,-38.75) ; CN15.A1@-25.01,-43.09 CN15.A1@-25.01,-42.905 ; CN15.A1@-25.01,-42.89 -25.01,-42.205 v1(-25,-42.195) ; C26.2@-25,-37.55 v1(-25,-36.825) ; v1(-24.825,-33.525) R30.2@-24.825,-32.975 ; CN15.B12@-24.76,-44.59 -24.76,-44.752 CN15.SH1@-23.678,-44.752 ; v1(-23.875,-33.525) C33.1@-23.875,-32.95 ; C33.1@-23.825,-32.975 -23.8,-32.95 C38.2@-23,-32.95 ; C56.1@-19.05,-28.4 v1(-18.275,-28.4) ; C41.2@-19.05,-27.25 v1(-18.275,-27.25) ; C42.2@-19.05,-26.1 v1(-18.275,-26.1) ; C43.2@-19.05,-25.25 v1(-18.275,-25.25) ; R38.2@-19.05,-24 v1(-18.275,-24) ; R31.2@-19.05,-20.9 v1(-19.05,-20.125) ; U11.2@-18.65,-36.5 -17.825,-36.5 -17.726,-36.599 -17.713,-36.612 -17.138,-36.612 -17.05,-36.7 C55.1@-17,-36.7 v1(-17,-37.5) ; v1(-16.9,-40.625) C54.1@-16.9,-39.5 ; v1(-15.887,-44.563) -15.86,-44.59 CN9.B1@-15.24,-44.59 ; v1(-15.491,-42.119) v1(-15.491,-42.119) CN9.A12@-15.49,-42.89 ; v1(-14.75,-38) -14.75,-38.875 -14.5,-39.125 R12.1@-14.5,-39.8 ; v1(-11.25,-38) -11.25,-38.75 -11,-39 R11.1@-11,-39.8 ; CN9.A1@-9.99,-43.09 CN9.A1@-9.99,-42.905 ; CN9.A1@-9.99,-42.89 -9.99,-42.205 v1(-9.98,-42.195) ; CN9.B12@-9.74,-44.59 -9.74,-44.752 -8.658,-44.752 CN9.SH1@-8.61,-44.8
  Bottom Layer w0.4: R45.2@-41.75,-29.8 v1(-41.75,-29.125) ; C59.1@-38.3,-35.25 v1(-37.375,-35.25) ; C58.1@-38.05,-41 v1(-37.375,-41)
  Bottom Layer w0.5: v1(-56.75,0.25) R54.1@-55.95,0.25 ; v1(-54.525,-2.25) CN17.7@-52.532,-2.25 ; v1(-54.5,-3.525) -54.498,-3.522 -52.534,-3.522 CN17.5@-52.532,-3.52 ; SW1.0@-50.35,-49.709 -49.166,-49.709 v1(-49.15,-49.725) ; SW1.0@-42.85,-49.709 -41.659,-49.709 v1(-41.65,-49.7) ; C22.1@-34.55,-8.75 v1(-33.55,-8.75) ; C20.1@-34.55,-4.25 v1(-33.675,-4.25) ; v1(-34.25,-6.5) U4.2@-32.95,-6.5 ; C21.1@-33.65,-10.25 v1(-32.5,-10.25) ; C19.1@-33.65,-2.75 v1(-32.65,-2.75) ; v1(-30.15,-8.275) -28.7,-8.275 U3.1@-28.675,-8.3 ; C18.1@-29,0.2 v1(-29,1.05) ; v1(-28.25,-11.225) -28.225,-11.25 C17.2@-26.875,-11.25 ; C16.2@-24.125,-0.75 v1@-22.775,-0.75
  other v1: -22.25,-49.75 -38.938,-49.709 -36.195,-49.709 -32.715,-49.709 -17.442,-49.709 -7.747,-49.709 -6.579,-48.559 -52.603,-47.988 -61.25,-47.75 4.826,-47.523 -63.5,-45.72 5.08,-44.425 -63.5,-43.129 5.08,-41.91 -63.5,-40.64 5.08,-39.421 -63.5,-38.1 5.08,-36.825 -63.5,-35.56 5.08,-34.29 -63.5,-33.02 -38.2,-32.95 -37.2,-32.95 -37.75,-32.1 5.08,-31.767 -37.75,-31.5 -20.175,-30.9 -37.75,-30.85 -63.5,-30.455 5.08,-29.21 -63.5,-27.94 5.08,-26.695 -40.5,-26.5 -38.5,-25.75 -63.5,-25.425 -38.5,-25 -38.5,-24.25 5.08,-24.13 -63.5,-22.85 5.08,-21.539 -31.525,-21.3 -32.3,-20.575 -63.5,-20.32 -27.35,-19.9 -25.875,-19.875 -27.425,-19.175 -25.675,-19.15 5.08,-19.05 -63.5,-17.78 -31.625,-17.7 -38.5,-17.25 -29.175,-17.2 -24.3,-16.95 -38.5,-16.5 5.08,-16.485 -24.3,-16.275 -29.15,-16.25 -38.5,-15.75 -28.35,-15.5 -27.575,-15.5 -26.75,-15.5 -25.2,-15.5 -63.5,-15.215 5.08,-13.945 -63.5,-12.7 5.08,-11.455 -63.5,-10.16 5.08,-8.859 -63.5,-7.62 -34.25,-7.4 4.826,-6.35 -34.25,-5.675 -63.5,-5.08 4.826,-3.757 -63.5,-2.54 4.826,-1.225 -22.75,-0.775 -63.5,0 4.85,1.15 -63.5,2.525 4.825,3.875 -56,5.25 -53.46,5.25 -50.92,5.25 -48.38,5.25 -45.865,5.25 -43.376,5.25 -40.709,5.25 -38.22,5.25 -35.641,5.25 -33.14,5.25 -30.625,5.25 -28.109,5.25 -25.52,5.25 -22.98,5.25 -20.44,5.25 -17.9,5.25 -15.36,5.25 -12.82,5.25 -10.28,5.25 -7.74,5.25 -5.2,5.25 -2.711,5.25 1.524,5.588
GNDDetect: CN17.11 R54.2 | length 2.6
  Bottom Layer w0.5: R54.2@-55.05,0.25 -55.05,0.285 -55.045,0.29 CN17.11@-52.532,0.29
GPIO0: CN1.3 CN3.1 | length 15.1
  Top Layer w0.2: CN3.1@-60.96,0 -59.21,1.75 -53,1.75 -49.98,-1.27 CN1.3@-47.855,-1.27
GPIO1: CN1.5 CN3.3 | length 14.2
  Top Layer w0.2: CN3.3@-60.96,-2.54 -59.67,-1.25 -52,-1.25 -50.71,-2.54 CN1.5@-47.855,-2.54
GPIO2: CN1.8 CN3.2 SB23.1 | length 19.3
  Top Layer w0.2: CN3.2@-58.42,0 -57.57,-0.85 -51.75,-0.85 -50.7,-1.9 -46.75,-1.9 -46.2,-2.45 -46.2,-3.025 -45.663,-3.562 -45.103,-3.562 CN1.8@-44.855,-3.81 -42.915,-3.81 v1(-42.375,-4.35)
  Bottom Layer w0.2: v1(-42.375,-4.35) -42.025,-4 SB23.1@-41.45,-4
GPIO3/BOOT0: CN1.9 CN3.7 SB28.1 | length 21
  Top Layer w0.15: CN1.9@-47.855,-5.08 -46.795,-5.08 -46.175,-5.7 -43.375,-5.7 v1(-43.35,-5.675)
  Top Layer w0.2: CN3.7@-60.96,-7.62 -59.74,-6.4 -50.35,-6.4 -49.03,-5.08 CN1.9@-47.855,-5.08
  Bottom Layer w0.15: v1(-43.35,-5.675) -43,-5.675 -42.575,-5.25 SB28.1@-41.45,-5.25
GPIO4: CN1.10 CN3.4 | length 14.6
  Top Layer w0.2: CN3.4@-58.42,-2.54 -56.125,-2.54 -55.79,-2.875 -52.7,-2.875 -51.125,-4.45 -46,-4.45 -45.628,-4.822 -45.628,-4.832 -45.38,-5.08 CN1.10@-44.855,-5.08
GPIO5/JTMS/SWDIO: CN1.13 CN3.9 SB17.1 | length 23.8
  Top Layer w0.15: CN1.13@-47.855,-7.62 -47.7,-7.775 -46.389,-7.775 -46.036,-7.422 -46.036,-7.211 -45.775,-6.95 -43.3,-6.95 v1(-42.625,-7.625)
  Top Layer w0.2: CN3.9@-60.96,-10.16 -59.725,-8.925 -55.7,-8.925 -53.5,-6.725 -50.075,-6.725 -49.18,-7.62 CN1.13@-47.855,-7.62 CN1.13@-47.33,-7.62
  Bottom Layer w0.15: v1(-42.625,-7.625) -42.625,-7.888 -42.625,-8.675 -42.3,-9 SB17.1@-41.45,-9

## Text inside footprints (layer, text, board x,y; h text height)
?: Drill Drawing "PCB SPECIFICATIONS :" at -180.208,107.648 h3; Drill Drawing "A.   MATERIAL :" at -180.208,103.648 h3; Drill Drawing "B.   MATERIAL FAMILY :" at -180.208,100.648 h3; Drill Drawing "C.   SOLDERMASK COLOR :" at -180.208,97.648 h3; Drill Drawing "D.   SILKSCREEN COLOR :" at -180.208,94.648 h3; Drill Drawing "E.   SURFACE FINISH :" at -180.208,91.648 h3; Drill Drawing "GREEN" at -141.708,97.648 h3; Drill Drawing "N/A" at -141.708,100.648 h3; Drill Drawing "FR-4" at -141.708,103.648 h3; Drill Drawing "X  BLUE" at -141.708,94.648 h3; Drill Drawing "X  ENIG" at -141.708,91.648 h3; Drill Drawing "HASL" at -141.708,88.648 h3; Drill Drawing "X    NO" at -141.708,85.648 h3; Drill Drawing "PLUG THE VIAS WHICH ARE COVERED WITH SOLDERMASK ONE OR TWO SIDE." at -141.708,82.648 h3; Drill Drawing "PLUG MATERIAL :" at -141.708,79.648 h3; Drill Drawing "G.   THROUGH VIA :" at -180.208,82.648 h3; Drill Drawing "F.   IMPEDANCE CONTROL :" at -180.208,85.648 h3; Drill Drawing "SEE LAYER STACK-UP SEQUENCE FOR OVERALL THICKNESS." at -141.708,76.648 h3; Drill Drawing "H.   STACK-UP :" at -180.208,76.648 h3; Drill Drawing "X  SOLDERMASK" at -116.208,79.648 h3; Drill Drawing "NON-CONDUCTIVE EPOXY." at -90.958,79.648 h3; Drill Drawing "YES  (SEE IMPEDANCE TABLE FOR DETAIL INFORMATION)" at -123.968,85.809 h3; Drill Drawing "HASL (PB-FREE)" at -125.208,88.648 h3; Drill Drawing "IMMERSION SILVER" at -125.208,91.648 h3; Drill Drawing "YELLOW" at -125.208,94.648 h3; Drill Drawing "X  WHITE" at -125.208,97.648 h3; Drill Drawing "RED" at -106.958,97.648 h3; Drill Drawing "BLACK" at -106.958,94.648 h3; Drill Drawing "BLACK" at -90.958,97.648 h3; Drill Drawing "IMMERSION TIN" at -90.958,91.648 h3; Drill Drawing "GOLDEN FINGER" at -90.958,88.648 h3; Drill Drawing "TG-140" at -90.958,103.648 h3; Drill Drawing "TG-150" at -106.958,103.648 h3; Drill Drawing "X  TG-170" at -125.208,103.648 h3